# KiCad board untitled.kicad_pcb (continued)
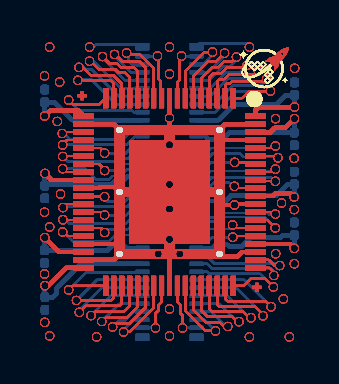
[diagram p0: board, top side]
## Routing (per net, layer and track width the routed paths; a pad name or vN(x,y) marks a point on that pad's centre or on a via; arc(x,y) is an arc through that point) (continued)
/PIN 66: length 259.7
  Top w0.1: 10.06,11.83 v1(10.15,11.92) ; 10.06,11.83 9.48,11.83 ; 10.06,11.83 9.48,11.83 ; 10.06,11.83 9.48,11.83 ; 10.06,11.83 v1(10.15,11.92) ; 10.06,11.83 v1(10.15,11.92) ; 10.06,11.83 v1(10.15,11.92) ; 10.06,11.83 v1(10.15,11.92) ; 10.06,11.83 9.48,11.83 ; 10.06,11.83 9.48,11.83 ; 10.06,11.83 v1(10.15,11.92) ; 10.06,11.83 v1(10.15,11.92) ; 10.06,11.83 v1(10.15,11.92) ; 10.06,11.83 v1(10.15,11.92) ; 10.06,11.83 v1(10.15,11.92) ; 10.06,11.83 v1(10.15,11.92) ; 10.06,11.83 9.48,11.83 ; 10.06,11.83 9.48,11.83 ; 10.06,11.83 9.48,11.83 ; 10.06,11.83 9.48,11.83 ; 10.06,11.83 v1(10.15,11.92) ; 10.06,11.83 9.48,11.83 ; 10.06,11.83 9.48,11.83 ; 10.06,11.83 v1(10.15,11.92) ; 10.06,11.83 9.48,11.83 ; 10.06,11.83 9.48,11.83 ; 10.06,11.83 9.48,11.83 ; 10.06,11.83 v1(10.15,11.92) ; 10.06,11.83 9.48,11.83 ; 10.06,11.83 v1(10.15,11.92) ; 10.06,11.83 9.48,11.83 ; 10.06,11.83 v1(10.15,11.92) ; 10.06,11.83 v1(10.15,11.92) ; 10.06,11.83 9.48,11.83 ; 10.06,11.83 9.48,11.83 ; 10.06,11.83 9.48,11.83 ; 10.06,11.83 v1(10.15,11.92) ; 10.06,11.83 v1(10.15,11.92) ; 10.06,11.83 9.48,11.83 ; 10.06,11.83 v1(10.15,11.92) ; 10.06,11.83 9.48,11.83 ; 10.06,11.83 9.48,11.83 ; 10.06,11.83 v1(10.15,11.92) ; 10.06,11.83 v1(10.15,11.92) ; 10.06,11.83 9.48,11.83 ; 10.06,11.83 v1(10.15,11.92) ; 10.06,11.83 9.48,11.83 ; 10.06,11.83 v1(10.15,11.92) ; 10.06,11.83 v1(10.15,11.92) ; 10.06,11.83 v1(10.15,11.92) ; 10.06,11.83 v1(10.15,11.92) ; 10.06,11.83 v1(10.15,11.92) ; 10.06,11.83 9.48,11.83 ; 10.06,11.83 v1(10.15,11.92) ; 10.06,11.83 9.48,11.83 ; 10.06,11.83 v1(10.15,11.92) ; 10.06,11.83 9.48,11.83 ; 10.06,11.83 v1(10.15,11.92) ; 10.06,11.83 9.48,11.83 ; 10.06,11.83 9.48,11.83 ; 10.06,11.83 v1(10.15,11.92) ; 10.06,11.83 9.48,11.83 ; 10.06,11.83 9.48,11.83 ; 10.06,11.83 v1(10.15,11.92) ; 10.06,11.83 v1(10.15,11.92) ; 10.06,11.83 v1(10.15,11.92) ; 10.06,11.83 9.48,11.83 ; 10.06,11.83 v1(10.15,11.92) ; 10.06,11.83 9.48,11.83 ; 10.06,11.83 9.48,11.83 ; 10.06,11.83 9.48,11.83 ; 10.06,11.83 v1(10.15,11.92) ; 10.06,11.83 9.48,11.83 ; 10.06,11.83 v1(10.15,11.92) ; 10.06,11.83 v1(10.15,11.92) ; 10.06,11.83 v1(10.15,11.92) ; 10.06,11.83 9.48,11.83 ; 10.06,11.83 9.48,11.83 ; 10.06,11.83 v1(10.15,11.92) ; 10.06,11.83 v1(10.15,11.92) ; 10.06,11.83 9.48,11.83 ; 10.06,11.83 9.48,11.83 ; 10.06,11.83 9.48,11.83 ; 10.06,11.83 9.48,11.83 ; 9.48,11.83 9.48,11.83 ; 9.48,11.83 9.48,11.83 ; 9.48,11.83 9.48,11.83 ; 9.48,11.83 9.48,11.83 ; 9.48,11.83 9.48,11.83 ; 9.48,11.83 9.48,11.83 ; 9.48,11.83 9.48,11.83 ; 9.48,11.83 9.48,11.83 ; 9.48,11.83 9.48,11.83 ; 9.48,11.83 9.48,11.83 ; 9.48,11.83 9.48,11.83 ; 9.48,11.83 9.48,11.83 ; 9.48,11.83 9.48,11.83 ; 9.48,11.83 9.48,11.83 ; 9.48,11.83 9.48,11.83 ; 9.48,11.83 9.48,11.83 ; 9.48,11.83 9.48,11.83 ; 9.48,11.83 9.48,11.83 ; 9.48,11.83 9.48,11.83 ; 9.48,11.83 9.48,11.83 ; 9.48,11.83 9.48,11.83 ; 9.48,11.83 9.48,11.83 ; 9.48,11.83 9.48,11.83 ; 9.48,11.83 9.48,11.83 ; 9.48,11.83 9.48,11.83 ; 9.48,11.83 9.48,11.83 ; 9.48,11.83 9.48,11.83 ; 9.48,11.83 9.48,11.83 ; 9.48,11.83 9.48,11.83 ; 9.48,11.83 9.48,11.83 ; 9.48,11.83 9.48,11.83 ; 9.48,11.83 9.48,11.83 ; 9.48,11.83 9.48,11.83 ; 9.48,11.83 9.48,11.83 ; 9.48,11.83 9.48,11.83 ; 9.48,11.83 9.48,11.83 ; 9.48,11.83 9.48,11.83 ; 9.48,11.83 9.48,11.83 ; 9.48,11.83 9.48,11.83 ; 9.48,11.83 9.48,11.83 ; 9.48,11.83 9.48,11.83 ; 9.48,11.83 9.48,11.83 ; 9.48,11.83 9.16,11.83 ; 9.48,11.83 9.16,11.83 ; 9.48,11.83 9.16,11.83 ; 9.48,11.83 9.16,11.83 ; 9.48,11.83 9.16,11.83 ; 9.48,11.83 9.16,11.83 ; 9.48,11.83 9.16,11.83 ; 9.48,11.83 9.16,11.83 ; 9.48,11.83 9.16,11.83 ; 9.48,11.83 9.16,11.83 ; 9.48,11.83 9.16,11.83 ; 9.48,11.83 9.16,11.83 ; 9.48,11.83 9.16,11.83 ; 9.48,11.83 9.16,11.83 ; 9.48,11.83 9.16,11.83 ; 9.48,11.83 9.16,11.83 ; 9.48,11.83 9.16,11.83 ; 9.48,11.83 9.16,11.83 ; 9.48,11.83 9.16,11.83 ; 9.48,11.83 9.16,11.83 ; 9.48,11.83 9.16,11.83 ; 9.48,11.83 9.16,11.83 ; 9.48,11.83 9.16,11.83 ; 9.48,11.83 9.16,11.83 ; 9.48,11.83 9.16,11.83 ; 9.48,11.83 9.16,11.83 ; 9.48,11.83 9.16,11.83 ; 9.48,11.83 9.16,11.83 ; 9.48,11.83 9.16,11.83 ; 9.48,11.83 9.16,11.83 ; 9.48,11.83 9.16,11.83 ; 9.48,11.83 9.16,11.83 ; 9.48,11.83 9.16,11.83 ; 9.48,11.83 9.16,11.83 ; 9.48,11.83 9.16,11.83 ; 9.48,11.83 9.16,11.83 ; 9.48,11.83 9.16,11.83 ; 9.48,11.83 9.16,11.83 ; 9.48,11.83 9.16,11.83 ; 9.48,11.83 9.16,11.83 ; 9.48,11.83 9.16,11.83 ; 9.48,11.83 9.16,11.83 ; 8.48,11.53 8.86,11.53 ; 8.48,11.53 8.26,11.31 ; 8.48,11.53 8.86,11.53 ; 8.48,11.53 8.26,11.31 ; 8.48,11.53 8.26,11.31 ; 8.48,11.53 8.26,11.31 ; 8.48,11.53 8.86,11.53 ; 8.48,11.53 8.86,11.53 ; 8.48,11.53 8.26,11.31 ; 8.48,11.53 8.86,11.53 ; 8.48,11.53 8.26,11.31 ; 8.48,11.53 8.26,11.31 ; 8.48,11.53 8.26,11.31 ; 8.48,11.53 8.26,11.31 ; 8.48,11.53 8.26,11.31 ; 8.48,11.53 8.26,11.31 ; 8.48,11.53 8.86,11.53 ; 8.48,11.53 8.86,11.53 ; 8.48,11.53 8.26,11.31 ; 8.48,11.53 8.86,11.53 ; 8.48,11.53 8.86,11.53 ; 8.48,11.53 8.86,11.53 ; 8.48,11.53 8.26,11.31 ; 8.48,11.53 8.86,11.53 ; 8.48,11.53 8.26,11.31 ; 8.48,11.53 8.86,11.53 ; 8.48,11.53 8.26,11.31 ; 8.48,11.53 8.86,11.53 ; 8.48,11.53 8.26,11.31 ; 8.48,11.53 8.26,11.31 ; 8.48,11.53 8.26,11.31 ; 8.48,11.53 8.26,11.31 ; 8.48,11.53 8.26,11.31 ; 8.48,11.53 8.86,11.53 ; 8.48,11.53 8.86,11.53 ; 8.48,11.53 8.86,11.53 ; 8.48,11.53 8.86,11.53 ; 8.48,11.53 8.86,11.53 ; 8.48,11.53 8.26,11.31 ; 8.48,11.53 8.86,11.53 ; 8.48,11.53 8.26,11.31 ; 8.48,11.53 8.26,11.31 ; 8.48,11.53 8.86,11.53 ; 8.48,11.53 8.86,11.53 ; 8.48,11.53 8.86,11.53 ; 8.48,11.53 8.26,11.31 ; 8.48,11.53 8.86,11.53 ; 8.48,11.53 8.26,11.31 ; 8.48,11.53 8.86,11.53 ; 8.48,11.53 8.86,11.53 ; 8.48,11.53 8.26,11.31 ; 8.48,11.53 8.26,11.31 ; 8.48,11.53 8.86,11.53 ; 8.48,11.53 8.86,11.53 ; 8.48,11.53 8.26,11.31 ; 8.48,11.53 8.26,11.31 ; 8.48,11.53 8.26,11.31 ; 8.48,11.53 8.26,11.31 ; 8.48,11.53 8.86,11.53 ; 8.48,11.53 8.86,11.53 ; 8.48,11.53 8.26,11.31 ; 8.48,11.53 8.26,11.31 ; 8.48,11.53 8.86,11.53 ; 8.48,11.53 8.26,11.31 ; 8.48,11.53 8.26,11.31 ; 8.48,11.53 8.86,11.53 ; 8.48,11.53 8.26,11.31 ; 8.48,11.53 8.86,11.53 ; 8.48,11.53 8.86,11.53 ; 8.48,11.53 8.26,11.31 ; 8.48,11.53 8.26,11.31 ; 8.48,11.53 8.86,11.53 ; 8.48,11.53 8.86,11.53 ; 8.48,11.53 8.86,11.53 ; 8.48,11.53 8.86,11.53 ; 8.48,11.53 8.26,11.31 ; 8.48,11.53 8.26,11.31 ; 8.48,11.53 8.26,11.31 ; 8.48,11.53 8.86,11.53 ; 8.48,11.53 8.26,11.31 ; 8.48,11.53 8.86,11.53 ; 8.48,11.53 8.86,11.53 ; 8.48,11.53 8.86,11.53 ; 8.48,11.53 8.86,11.53 ; 8.86,11.53 9.16,11.83 ; 8.86,11.53 9.16,11.83 ; 8.86,11.53 9.16,11.83 ; 8.86,11.53 9.16,11.83 ; 8.86,11.53 9.16,11.83 ; 8.86,11.53 9.16,11.83 ; 8.86,11.53 9.16,11.83 ; 8.86,11.53 9.16,11.83 ; 8.86,11.53 9.16,11.83 ; 8.86,11.53 9.16,11.83 ; 8.86,11.53 9.16,11.83 ; 8.86,11.53 9.16,11.83 ; 8.86,11.53 9.16,11.83 ; 8.86,11.53 9.16,11.83 ; 8.86,11.53 9.16,11.83 ; 8.86,11.53 9.16,11.83 ; 8.86,11.53 9.16,11.83 ; 8.86,11.53 9.16,11.83 ; 8.86,11.53 9.16,11.83 ; 8.86,11.53 9.16,11.83 ; 8.86,11.53 9.16,11.83 ; 8.86,11.53 9.16,11.83 ; 8.86,11.53 9.16,11.83 ; 8.86,11.53 9.16,11.83 ; 8.86,11.53 9.16,11.83 ; 8.86,11.53 9.16,11.83 ; 8.86,11.53 9.16,11.83 ; 8.86,11.53 9.16,11.83 ; 8.86,11.53 9.16,11.83 ; 8.86,11.53 9.16,11.83 ; 8.86,11.53 9.16,11.83 ; 8.86,11.53 9.16,11.83 ; 8.86,11.53 9.16,11.83 ; 8.86,11.53 9.16,11.83 ; 8.86,11.53 9.16,11.83 ; 8.86,11.53 9.16,11.83 ; 8.86,11.53 9.16,11.83 ; 8.86,11.53 9.16,11.83 ; 8.86,11.53 9.16,11.83 ; 8.86,11.53 9.16,11.83 ; 8.86,11.53 9.16,11.83 ; 8.86,11.53 9.16,11.83 ; 8.26,11.31 J158.4 ; 8.26,11.31 J158.4 ; 8.26,11.31 J158.4 ; 8.26,11.31 J158.4 ; 8.26,11.31 J158.4 ; 8.26,11.31 J158.4 ; 8.26,11.31 J158.4 ; 8.26,11.31 J158.4 ; 8.26,11.31 J158.4 ; 8.26,11.31 J158.4 ; 8.26,11.31 J158.4 ; 8.26,11.31 J158.4 ; 8.26,11.31 J158.4 ; 8.26,11.31 J158.4 ; 8.26,11.31 J158.4 ; 8.26,11.31 J158.4 ; 8.26,11.31 J158.4 ; 8.26,11.31 J158.4 ; 8.26,11.31 J158.4 ; 8.26,11.31 J158.4 ; 8.26,11.31 J158.4 ; 8.26,11.31 J158.4 ; 8.26,11.31 J158.4 ; 8.26,11.31 J158.4 ; 8.26,11.31 J158.4 ; 8.26,11.31 J158.4 ; 8.26,11.31 J158.4 ; 8.26,11.31 J158.4 ; 8.26,11.31 J158.4 ; 8.26,11.31 J158.4 ; 8.26,11.31 J158.4 ; 8.26,11.31 J158.4 ; 8.26,11.31 J158.4 ; 8.26,11.31 J158.4 ; 8.26,11.31 J158.4 ; 8.26,11.31 J158.4 ; 8.26,11.31 J158.4 ; 8.26,11.31 J158.4 ; 8.26,11.31 J158.4 ; 8.26,11.31 J158.4 ; 8.26,11.31 J158.4 ; 8.26,11.31 J158.4
  Bottom w0.1: v1(10.15,11.92) 9.81,11.58 ; v1(10.15,11.92) 9.81,11.58 ; v1(10.15,11.92) 9.81,11.58 ; v1(10.15,11.92) 9.81,11.58 ; v1(10.15,11.92) 9.81,11.58 ; v1(10.15,11.92) 9.81,11.58 ; v1(10.15,11.92) 9.81,11.58 ; v1(10.15,11.92) 9.81,11.58 ; v1(10.15,11.92) 9.81,11.58 ; v1(10.15,11.92) 9.81,11.58 ; v1(10.15,11.92) 9.81,11.58 ; v1(10.15,11.92) 9.81,11.58 ; v1(10.15,11.92) 9.81,11.58 ; v1(10.15,11.92) 9.81,11.58 ; v1(10.15,11.92) 9.81,11.58 ; v1(10.15,11.92) 9.81,11.58 ; v1(10.15,11.92) 9.81,11.58 ; v1(10.15,11.92) 9.81,11.58 ; v1(10.15,11.92) 9.81,11.58 ; v1(10.15,11.92) 9.81,11.58 ; v1(10.15,11.92) 9.81,11.58 ; v1(10.15,11.92) 9.81,11.58 ; v1(10.15,11.92) 9.81,11.58 ; v1(10.15,11.92) 9.81,11.58 ; v1(10.15,11.92) 9.81,11.58 ; v1(10.15,11.92) 9.81,11.58 ; v1(10.15,11.92) 9.81,11.58 ; v1(10.15,11.92) 9.81,11.58 ; v1(10.15,11.92) 9.81,11.58 ; v1(10.15,11.92) 9.81,11.58 ; v1(10.15,11.92) 9.81,11.58 ; v1(10.15,11.92) 9.81,11.58 ; v1(10.15,11.92) 9.81,11.58 ; v1(10.15,11.92) 9.81,11.58 ; v1(10.15,11.92) 9.81,11.58 ; v1(10.15,11.92) 9.81,11.58 ; v1(10.15,11.92) 9.81,11.58 ; v1(10.15,11.92) 9.81,11.58 ; v1(10.15,11.92) 9.81,11.58 ; v1(10.15,11.92) 9.81,11.58 ; v1(10.15,11.92) 9.81,11.58 ; v1(10.15,11.92) 9.81,11.58 ; 9.81,11.58 9.11,11.58 ; 9.81,11.58 9.11,11.58 ; 9.81,11.58 9.11,11.58 ; 9.81,11.58 9.11,11.58 ; 9.81,11.58 9.11,11.58 ; 9.81,11.58 9.11,11.58 ; 9.81,11.58 9.11,11.58 ; 9.81,11.58 9.11,11.58 ; 9.81,11.58 9.11,11.58 ; 9.81,11.58 9.11,11.58 ; 9.81,11.58 9.11,11.58 ; 9.81,11.58 9.11,11.58 ; 9.81,11.58 9.11,11.58 ; 9.81,11.58 9.11,11.58 ; 9.81,11.58 9.11,11.58 ; 9.81,11.58 9.11,11.58 ; 9.81,11.58 9.11,11.58 ; 9.81,11.58 9.11,11.58 ; 9.81,11.58 9.11,11.58 ; 9.81,11.58 9.11,11.58 ; 9.81,11.58 9.11,11.58 ; 9.81,11.58 9.11,11.58 ; 9.81,11.58 9.11,11.58 ; 9.81,11.58 9.11,11.58 ; 9.81,11.58 9.11,11.58 ; 9.81,11.58 9.11,11.58 ; 9.81,11.58 9.11,11.58 ; 9.81,11.58 9.11,11.58 ; 9.81,11.58 9.11,11.58 ; 9.81,11.58 9.11,11.58 ; 9.81,11.58 9.11,11.58 ; 9.81,11.58 9.11,11.58 ; 9.81,11.58 9.11,11.58 ; 9.81,11.58 9.11,11.58 ; 9.81,11.58 9.11,11.58 ; 9.81,11.58 9.11,11.58 ; 9.81,11.58 9.11,11.58 ; 9.81,11.58 9.11,11.58 ; 9.81,11.58 9.11,11.58 ; 9.81,11.58 9.11,11.58 ; 9.81,11.58 9.11,11.58 ; 9.81,11.58 9.11,11.58 ; 8.31,10.78 J173.5 ; 8.31,10.78 J173.5 ; 8.31,10.78 9.11,11.58 ; 8.31,10.78 9.11,11.58 ; 8.31,10.78 J173.5 ; 8.31,10.78 J173.5 ; 8.31,10.78 9.11,11.58 ; 8.31,10.78 9.11,11.58 ; 8.31,10.78 J173.5 ; 8.31,10.78 J173.5 ; 8.31,10.78 J173.5 ; 8.31,10.78 J173.5 ; 8.31,10.78 J173.5 ; 8.31,10.78 J173.5 ; 8.31,10.78 9.11,11.58 ; 8.31,10.78 J173.5 ; 8.31,10.78 J173.5 ; 8.31,10.78 J173.5 ; 8.31,10.78 J173.5 ; 8.31,10.78 9.11,11.58 ; 8.31,10.78 9.11,11.58 ; 8.31,10.78 J173.5 ; 8.31,10.78 9.11,11.58 ; 8.31,10.78 J173.5 ; 8.31,10.78 J173.5 ; 8.31,10.78 9.11,11.58 ; 8.31,10.78 J173.5 ; 8.31,10.78 J173.5 ; 8.31,10.78 9.11,11.58 ; 8.31,10.78 J173.5 ; 8.31,10.78 J173.5 ; 8.31,10.78 9.11,11.58 ; 8.31,10.78 9.11,11.58 ; 8.31,10.78 J173.5 ; 8.31,10.78 J173.5 ; 8.31,10.78 J173.5 ; 8.31,10.78 9.11,11.58 ; 8.31,10.78 9.11,11.58 ; 8.31,10.78 J173.5 ; 8.31,10.78 9.11,11.58 ; 8.31,10.78 J173.5 ; 8.31,10.78 9.11,11.58 ; 8.31,10.78 9.11,11.58 ; 8.31,10.78 J173.5 ; 8.31,10.78 J173.5 ; 8.31,10.78 J173.5 ; 8.31,10.78 J173.5 ; 8.31,10.78 9.11,11.58 ; 8.31,10.78 9.11,11.58 ; 8.31,10.78 J173.5 ; 8.31,10.78 9.11,11.58 ; 8.31,10.78 J173.5 ; 8.31,10.78 J173.5 ; 8.31,10.78 J173.5 ; 8.31,10.78 J173.5 ; 8.31,10.78 9.11,11.58 ; 8.31,10.78 9.11,11.58 ; 8.31,10.78 J173.5 ; 8.31,10.78 J173.5 ; 8.31,10.78 9.11,11.58 ; 8.31,10.78 9.11,11.58 ; 8.31,10.78 9.11,11.58 ; 8.31,10.78 9.11,11.58 ; 8.31,10.78 9.11,11.58 ; 8.31,10.78 9.11,11.58 ; 8.31,10.78 9.11,11.58 ; 8.31,10.78 9.11,11.58 ; 8.31,10.78 9.11,11.58 ; 8.31,10.78 9.11,11.58 ; 8.31,10.78 J173.5 ; 8.31,10.78 J173.5 ; 8.31,10.78 9.11,11.58 ; 8.31,10.78 J173.5 ; 8.31,10.78 9.11,11.58 ; 8.31,10.78 J173.5 ; 8.31,10.78 9.11,11.58 ; 8.31,10.78 J173.5 ; 8.31,10.78 9.11,11.58 ; 8.31,10.78 9.11,11.58 ; 8.31,10.78 9.11,11.58 ; 8.31,10.78 9.11,11.58 ; 8.31,10.78 9.11,11.58 ; 8.31,10.78 9.11,11.58 ; 8.31,10.78 9.11,11.58
/PIN 67: length 241.3
  Top w0.1: 8.97,12.09 8.71,11.83 ; 8.97,12.09 8.71,11.83 ; 8.97,12.09 9.37,12.09 ; 8.97,12.09 9.37,12.09 ; 8.97,12.09 9.37,12.09 ; 8.97,12.09 8.71,11.83 ; 8.97,12.09 9.37,12.09 ; 8.97,12.09 8.71,11.83 ; 8.97,12.09 9.37,12.09 ; 8.97,12.09 8.71,11.83 ; 8.97,12.09 8.71,11.83 ; 8.97,12.09 8.71,11.83 ; 8.97,12.09 9.37,12.09 ; 8.97,12.09 8.71,11.83 ; 8.97,12.09 9.37,12.09 ; 8.97,12.09 9.37,12.09 ; 8.97,12.09 8.71,11.83 ; 8.97,12.09 8.71,11.83 ; 8.97,12.09 9.37,12.09 ; 8.97,12.09 8.71,11.83 ; 8.97,12.09 8.71,11.83 ; 8.97,12.09 8.71,11.83 ; 8.97,12.09 8.71,11.83 ; 8.97,12.09 8.71,11.83 ; 8.97,12.09 8.71,11.83 ; 8.97,12.09 9.37,12.09 ; 8.97,12.09 9.37,12.09 ; 8.97,12.09 9.37,12.09 ; 8.97,12.09 8.71,11.83 ; 8.97,12.09 8.71,11.83 ; 8.97,12.09 8.71,11.83 ; 8.97,12.09 8.71,11.83 ; 8.97,12.09 9.37,12.09 ; 8.97,12.09 9.37,12.09 ; 8.97,12.09 9.37,12.09 ; 8.97,12.09 9.37,12.09 ; 8.97,12.09 8.71,11.83 ; 8.97,12.09 9.37,12.09 ; 8.97,12.09 8.71,11.83 ; 8.97,12.09 9.37,12.09 ; 8.97,12.09 8.71,11.83 ; 8.97,12.09 8.71,11.83 ; 8.97,12.09 9.37,12.09 ; 8.97,12.09 9.37,12.09 ; 8.97,12.09 8.71,11.83 ; 8.97,12.09 9.37,12.09 ; 8.97,12.09 9.37,12.09 ; 8.97,12.09 8.71,11.83 ; 8.97,12.09 8.71,11.83 ; 8.97,12.09 8.71,11.83 ; 8.97,12.09 8.71,11.83 ; 8.97,12.09 8.71,11.83 ; 8.97,12.09 9.37,12.09 ; 8.97,12.09 9.37,12.09 ; 8.97,12.09 8.71,11.83 ; 8.97,12.09 8.71,11.83 ; 8.97,12.09 9.37,12.09 ; 8.97,12.09 9.37,12.09 ; 8.97,12.09 9.37,12.09 ; 8.97,12.09 9.37,12.09 ; 8.97,12.09 8.71,11.83 ; 8.97,12.09 8.71,11.83 ; 8.97,12.09 9.37,12.09 ; 8.97,12.09 8.71,11.83 ; 8.97,12.09 9.37,12.09 ; 8.97,12.09 9.37,12.09 ; 8.97,12.09 8.71,11.83 ; 8.97,12.09 9.37,12.09 ; 8.97,12.09 8.71,11.83 ; 8.97,12.09 9.37,12.09 ; 8.97,12.09 9.37,12.09 ; 8.97,12.09 9.37,12.09 ; 8.97,12.09 9.37,12.09 ; 8.97,12.09 8.71,11.83 ; 8.97,12.09 9.37,12.09 ; 8.97,12.09 8.71,11.83 ; 8.97,12.09 9.37,12.09 ; 8.97,12.09 8.71,11.83 ; 8.97,12.09 9.37,12.09 ; 8.97,12.09 9.37,12.09 ; 8.97,12.09 9.37,12.09 ; 8.97,12.09 8.71,11.83 ; 8.97,12.09 9.37,12.09 ; 8.97,12.09 8.71,11.83 ; 8.71,11.83 8.41,11.83 ; 8.71,11.83 8.41,11.83 ; 8.71,11.83 8.41,11.83 ; 8.71,11.83 8.41,11.83 ; 8.71,11.83 8.41,11.83 ; 8.71,11.83 8.41,11.83 ; 8.71,11.83 8.41,11.83 ; 8.71,11.83 8.41,11.83 ; 8.71,11.83 8.41,11.83 ; 8.71,11.83 8.41,11.83 ; 8.71,11.83 8.41,11.83 ; 8.71,11.83 8.41,11.83 ; 8.71,11.83 8.41,11.83 ; 8.71,11.83 8.41,11.83 ; 8.71,11.83 8.41,11.83 ; 8.71,11.83 8.41,11.83 ; 8.71,11.83 8.41,11.83 ; 8.71,11.83 8.41,11.83 ; 8.71,11.83 8.41,11.83 ; 8.71,11.83 8.41,11.83 ; 8.71,11.83 8.41,11.83 ; 8.71,11.83 8.41,11.83 ; 8.71,11.83 8.41,11.83 ; 8.71,11.83 8.41,11.83 ; 8.71,11.83 8.41,11.83 ; 8.71,11.83 8.41,11.83 ; 8.71,11.83 8.41,11.83 ; 8.71,11.83 8.41,11.83 ; 8.71,11.83 8.41,11.83 ; 8.71,11.83 8.41,11.83 ; 8.71,11.83 8.41,11.83 ; 8.71,11.83 8.41,11.83 ; 8.71,11.83 8.41,11.83 ; 8.71,11.83 8.41,11.83 ; 8.71,11.83 8.41,11.83 ; 8.71,11.83 8.41,11.83 ; 8.71,11.83 8.41,11.83 ; 8.71,11.83 8.41,11.83 ; 8.71,11.83 8.41,11.83 ; 8.71,11.83 8.41,11.83 ; 8.71,11.83 8.41,11.83 ; 8.71,11.83 8.41,11.83 ; 8.41,11.83 7.86,11.28 ; 8.41,11.83 7.86,11.28 ; 8.41,11.83 7.86,11.28 ; 8.41,11.83 7.86,11.28 ; 8.41,11.83 7.86,11.28 ; 8.41,11.83 7.86,11.28 ; 8.41,11.83 7.86,11.28 ; 8.41,11.83 7.86,11.28 ; 8.41,11.83 7.86,11.28 ; 8.41,11.83 7.86,11.28 ; 8.41,11.83 7.86,11.28 ; 8.41,11.83 7.86,11.28 ; 8.41,11.83 7.86,11.28 ; 8.41,11.83 7.86,11.28 ; 8.41,11.83 7.86,11.28 ; 8.41,11.83 7.86,11.28 ; 8.41,11.83 7.86,11.28 ; 8.41,11.83 7.86,11.28 ; 8.41,11.83 7.86,11.28 ; 8.41,11.83 7.86,11.28 ; 8.41,11.83 7.86,11.28 ; 8.41,11.83 7.86,11.28 ; 8.41,11.83 7.86,11.28 ; 8.41,11.83 7.86,11.28 ; 8.41,11.83 7.86,11.28 ; 8.41,11.83 7.86,11.28 ; 8.41,11.83 7.86,11.28 ; 8.41,11.83 7.86,11.28 ; 8.41,11.83 7.86,11.28 ; 8.41,11.83 7.86,11.28 ; 8.41,11.83 7.86,11.28 ; 8.41,11.83 7.86,11.28 ; 8.41,11.83 7.86,11.28 ; 8.41,11.83 7.86,11.28 ; 8.41,11.83 7.86,11.28 ; 8.41,11.83 7.86,11.28 ; 8.41,11.83 7.86,11.28 ; 8.41,11.83 7.86,11.28 ; 8.41,11.83 7.86,11.28 ; 8.41,11.83 7.86,11.28 ; 8.41,11.83 7.86,11.28 ; 8.41,11.83 7.86,11.28 ; v1(9.61,12.33) 9.37,12.09 ; v1(9.61,12.33) 9.37,12.09 ; v1(9.61,12.33) 9.37,12.09 ; v1(9.61,12.33) 9.37,12.09 ; v1(9.61,12.33) 9.37,12.09 ; v1(9.61,12.33) 9.37,12.09 ; v1(9.61,12.33) 9.37,12.09 ; v1(9.61,12.33) 9.37,12.09 ; v1(9.61,12.33) 9.37,12.09 ; v1(9.61,12.33) 9.37,12.09 ; v1(9.61,12.33) 9.37,12.09 ; v1(9.61,12.33) 9.37,12.09 ; v1(9.61,12.33) 9.37,12.09 ; v1(9.61,12.33) 9.37,12.09 ; v1(9.61,12.33) 9.37,12.09 ; v1(9.61,12.33) 9.37,12.09 ; v1(9.61,12.33) 9.37,12.09 ; v1(9.61,12.33) 9.37,12.09 ; v1(9.61,12.33) 9.37,12.09 ; v1(9.61,12.33) 9.37,12.09 ; v1(9.61,12.33) 9.37,12.09 ; v1(9.61,12.33) 9.37,12.09 ; v1(9.61,12.33) 9.37,12.09 ; v1(9.61,12.33) 9.37,12.09 ; v1(9.61,12.33) 9.37,12.09 ; v1(9.61,12.33) 9.37,12.09 ; v1(9.61,12.33) 9.37,12.09 ; v1(9.61,12.33) 9.37,12.09 ; v1(9.61,12.33) 9.37,12.09 ; v1(9.61,12.33) 9.37,12.09 ; v1(9.61,12.33) 9.37,12.09 ; v1(9.61,12.33) 9.37,12.09 ; v1(9.61,12.33) 9.37,12.09 ; v1(9.61,12.33) 9.37,12.09 ; v1(9.61,12.33) 9.37,12.09 ; v1(9.61,12.33) 9.37,12.09 ; v1(9.61,12.33) 9.37,12.09 ; v1(9.61,12.33) 9.37,12.09 ; v1(9.61,12.33) 9.37,12.09 ; v1(9.61,12.33) 9.37,12.09 ; v1(9.61,12.33) 9.37,12.09 ; v1(9.61,12.33) 9.37,12.09 ; 7.86,11.28 J158.5 ; 7.86,11.28 J158.5 ; 7.86,11.28 J158.5 ; 7.86,11.28 J158.5 ; 7.86,11.28 J158.5 ; 7.86,11.28 J158.5 ; 7.86,11.28 J158.5 ; 7.86,11.28 J158.5 ; 7.86,11.28 J158.5 ; 7.86,11.28 J158.5 ; 7.86,11.28 J158.5 ; 7.86,11.28 J158.5 ; 7.86,11.28 J158.5 ; 7.86,11.28 J158.5 ; 7.86,11.28 J158.5 ; 7.86,11.28 J158.5 ; 7.86,11.28 J158.5 ; 7.86,11.28 J158.5 ; 7.86,11.28 J158.5 ; 7.86,11.28 J158.5 ; 7.86,11.28 J158.5 ; 7.86,11.28 J158.5 ; 7.86,11.28 J158.5 ; 7.86,11.28 J158.5 ; 7.86,11.28 J158.5 ; 7.86,11.28 J158.5 ; 7.86,11.28 J158.5 ; 7.86,11.28 J158.5 ; 7.86,11.28 J158.5 ; 7.86,11.28 J158.5 ; 7.86,11.28 J158.5 ; 7.86,11.28 J158.5 ; 7.86,11.28 J158.5 ; 7.86,11.28 J158.5 ; 7.86,11.28 J158.5 ; 7.86,11.28 J158.5 ; 7.86,11.28 J158.5 ; 7.86,11.28 J158.5 ; 7.86,11.28 J158.5 ; 7.86,11.28 J158.5 ; 7.86,11.28 J158.5 ; 7.86,11.28 J158.5
  Bottom w0.1: 9.56,12.13 9.31,11.88 ; 9.56,12.13 9.56,12.28 ; 9.56,12.13 9.31,11.88 ; 9.56,12.13 9.31,11.88 ; 9.56,12.13 9.56,12.28 ; 9.56,12.13 9.56,12.28 ; 9.56,12.13 9.31,11.88 ; 9.56,12.13 9.31,11.88 ; 9.56,12.13 9.56,12.28 ; 9.56,12.13 9.31,11.88 ; 9.56,12.13 9.56,12.28 ; 9.56,12.13 9.31,11.88 ; 9.56,12.13 9.31,11.88 ; 9.56,12.13 9.56,12.28 ; 9.56,12.13 9.56,12.28 ; 9.56,12.13 9.31,11.88 ; 9.56,12.13 9.31,11.88 ; 9.56,12.13 9.56,12.28 ; 9.56,12.13 9.31,11.88 ; 9.56,12.13 9.56,12.28 ; 9.56,12.13 9.56,12.28 ; 9.56,12.13 9.31,11.88 ; 9.56,12.13 9.56,12.28 ; 9.56,12.13 9.56,12.28 ; 9.56,12.13 9.56,12.28 ; 9.56,12.13 9.56,12.28 ; 9.56,12.13 9.31,11.88 ; 9.56,12.13 9.31,11.88 ; 9.56,12.13 9.31,11.88 ; 9.56,12.13 9.56,12.28 ; 9.56,12.13 9.56,12.28 ; 9.56,12.13 9.56,12.28 ; 9.56,12.13 9.56,12.28 ; 9.56,12.13 9.56,12.28 ; 9.56,12.13 9.56,12.28 ; 9.56,12.13 9.56,12.28 ; 9.56,12.13 9.31,11.88 ; 9.56,12.13 9.56,12.28 ; 9.56,12.13 9.56,12.28 ; 9.56,12.13 9.56,12.28 ; 9.56,12.13 9.31,11.88 ; 9.56,12.13 9.56,12.28 ; 9.56,12.13 9.31,11.88 ; 9.56,12.13 9.56,12.28 ; 9.56,12.13 9.31,11.88 ; 9.56,12.13 9.56,12.28 ; 9.56,12.13 9.31,11.88 ; 9.56,12.13 9.31,11.88 ; 9.56,12.13 9.31,11.88 ; 9.56,12.13 9.56,12.28 ; 9.56,12.13 9.31,11.88 ; 9.56,12.13 9.31,11.88 ; 9.56,12.13 9.56,12.28 ; 9.56,12.13 9.31,11.88 ; 9.56,12.13 9.31,11.88 ; 9.56,12.13 9.56,12.28 ; 9.56,12.13 9.56,12.28 ; 9.56,12.13 9.31,11.88 ; 9.56,12.13 9.31,11.88 ; 9.56,12.13 9.31,11.88 ; 9.56,12.13 9.31,11.88 ; 9.56,12.13 9.31,11.88 ; 9.56,12.13 9.56,12.28 ; 9.56,12.13 9.56,12.28 ; 9.56,12.13 9.31,11.88 ; 9.56,12.13 9.56,12.28 ; 9.56,12.13 9.56,12.28 ; 9.56,12.13 9.31,11.88 ; 9.56,12.13 9.31,11.88 ; 9.56,12.13 9.31,11.88 ; 9.56,12.13 9.56,12.28 ; 9.56,12.13 9.31,11.88 ; 9.56,12.13 9.31,11.88 ; 9.56,12.13 9.31,11.88 ; 9.56,12.13 9.56,12.28 ; 9.56,12.13 9.56,12.28 ; 9.56,12.13 9.56,12.28 ; 9.56,12.13 9.56,12.28 ; 9.56,12.13 9.31,11.88 ; 9.56,12.13 9.31,11.88 ; 9.56,12.13 9.56,12.28 ; 9.56,12.13 9.31,11.88 ; 9.56,12.13 9.31,11.88 ; 9.56,12.13 9.56,12.28 ; 9.31,11.88 8.96,11.88 ; 9.31,11.88 8.96,11.88 ; 9.31,11.88 8.96,11.88 ; 9.31,11.88 8.96,11.88 ; 9.31,11.88 8.96,11.88 ; 9.31,11.88 8.96,11.88 ; 9.31,11.88 8.96,11.88 ; 9.31,11.88 8.96,11.88 ; 9.31,11.88 8.96,11.88 ; 9.31,11.88 8.96,11.88 ; 9.31,11.88 8.96,11.88 ; 9.31,11.88 8.96,11.88 ; 9.31,11.88 8.96,11.88 ; 9.31,11.88 8.96,11.88 ; 9.31,11.88 8.96,11.88 ; 9.31,11.88 8.96,11.88 ; 9.31,11.88 8.96,11.88 ; 9.31,11.88 8.96,11.88 ; 9.31,11.88 8.96,11.88 ; 9.31,11.88 8.96,11.88 ; 9.31,11.88 8.96,11.88 ; 9.31,11.88 8.96,11.88 ; 9.31,11.88 8.96,11.88 ; 9.31,11.88 8.96,11.88 ; 9.31,11.88 8.96,11.88 ; 9.31,11.88 8.96,11.88 ; 9.31,11.88 8.96,11.88 ; 9.31,11.88 8.96,11.88 ; 9.31,11.88 8.96,11.88 ; 9.31,11.88 8.96,11.88 ; 9.31,11.88 8.96,11.88 ; 9.31,11.88 8.96,11.88 ; 9.31,11.88 8.96,11.88 ; 9.31,11.88 8.96,11.88 ; 9.31,11.88 8.96,11.88 ; 9.31,11.88 8.96,11.88 ; 9.31,11.88 8.96,11.88 ; 9.31,11.88 8.96,11.88 ; 9.31,11.88 8.96,11.88 ; 9.31,11.88 8.96,11.88 ; 9.31,11.88 8.96,11.88 ; 9.31,11.88 8.96,11.88 ; v1(9.61,12.33) 9.56,12.28 ; v1(9.61,12.33) 9.56,12.28 ; v1(9.61,12.33) 9.56,12.28 ; v1(9.61,12.33) 9.56,12.28 ; v1(9.61,12.33) 9.56,12.28 ; v1(9.61,12.33) 9.56,12.28 ; v1(9.61,12.33) 9.56,12.28 ; v1(9.61,12.33) 9.56,12.28 ; v1(9.61,12.33) 9.56,12.28 ; v1(9.61,12.33) 9.56,12.28 ; v1(9.61,12.33) 9.56,12.28 ; v1(9.61,12.33) 9.56,12.28 ; v1(9.61,12.33) 9.56,12.28 ; v1(9.61,12.33) 9.56,12.28 ; v1(9.61,12.33) 9.56,12.28 ; v1(9.61,12.33) 9.56,12.28 ; v1(9.61,12.33) 9.56,12.28 ; v1(9.61,12.33) 9.56,12.28 ; v1(9.61,12.33) 9.56,12.28 ; v1(9.61,12.33) 9.56,12.28 ; v1(9.61,12.33) 9.56,12.28 ; v1(9.61,12.33) 9.56,12.28 ; v1(9.61,12.33) 9.56,12.28 ; v1(9.61,12.33) 9.56,12.28 ; v1(9.61,12.33) 9.56,12.28 ; v1(9.61,12.33) 9.56,12.28 ; v1(9.61,12.33) 9.56,12.28 ; v1(9.61,12.33) 9.56,12.28 ; v1(9.61,12.33) 9.56,12.28 ; v1(9.61,12.33) 9.56,12.28 ; v1(9.61,12.33) 9.56,12.28 ; v1(9.61,12.33) 9.56,12.28 ; v1(9.61,12.33) 9.56,12.28 ; v1(9.61,12.33) 9.56,12.28 ; v1(9.61,12.33) 9.56,12.28 ; v1(9.61,12.33) 9.56,12.28 ; v1(9.61,12.33) 9.56,12.28 ; v1(9.61,12.33) 9.56,12.28 ; v1(9.61,12.33) 9.56,12.28 ; v1(9.61,12.33) 9.56,12.28 ; v1(9.61,12.33) 9.56,12.28 ; v1(9.61,12.33) 9.56,12.28 ; 8.96,11.88 8.26,11.18 ; 8.96,11.88 8.26,11.18 ; 8.96,11.88 8.26,11.18 ; 8.96,11.88 8.26,11.18 ; 8.96,11.88 8.26,11.18 ; 8.96,11.88 8.26,11.18 ; 8.96,11.88 8.26,11.18 ; 8.96,11.88 8.26,11.18 ; 8.96,11.88 8.26,11.18 ; 8.96,11.88 8.26,11.18 ; 8.96,11.88 8.26,11.18 ; 8.96,11.88 8.26,11.18 ; 8.96,11.88 8.26,11.18 ; 8.96,11.88 8.26,11.18 ; 8.96,11.88 8.26,11.18 ; 8.96,11.88 8.26,11.18 ; 8.96,11.88 8.26,11.18 ; 8.96,11.88 8.26,11.18 ; 8.96,11.88 8.26,11.18 ; 8.96,11.88 8.26,11.18 ; 8.96,11.88 8.26,11.18 ; 8.96,11.88 8.26,11.18 ; 8.96,11.88 8.26,11.18 ; 8.96,11.88 8.26,11.18 ; 8.96,11.88 8.26,11.18 ; 8.96,11.88 8.26,11.18 ; 8.96,11.88 8.26,11.18 ; 8.96,11.88 8.26,11.18 ; 8.96,11.88 8.26,11.18 ; 8.96,11.88 8.26,11.18 ; 8.96,11.88 8.26,11.18 ; 8.96,11.88 8.26,11.18 ; 8.96,11.88 8.26,11.18 ; 8.96,11.88 8.26,11.18 ; 8.96,11.88 8.26,11.18 ; 8.96,11.88 8.26,11.18 ; 8.96,11.88 8.26,11.18 ; 8.96,11.88 8.26,11.18 ; 8.96,11.88 8.26,11.18 ; 8.96,11.88 8.26,11.18 ; 8.96,11.88 8.26,11.18 ; 8.96,11.88 8.26,11.18 ; 8.26,11.18 J173.4 ; 8.26,11.18 J173.4 ; 8.26,11.18 J173.4 ; 8.26,11.18 J173.4 ; 8.26,11.18 J173.4 ; 8.26,11.18 J173.4 ; 8.26,11.18 J173.4 ; 8.26,11.18 J173.4 ; 8.26,11.18 J173.4 ; 8.26,11.18 J173.4 ; 8.26,11.18 J173.4 ; 8.26,11.18 J173.4 ; 8.26,11.18 J173.4 ; 8.26,11.18 J173.4 ; 8.26,11.18 J173.4 ; 8.26,11.18 J173.4 ; 8.26,11.18 J173.4 ; 8.26,11.18 J173.4 ; 8.26,11.18 J173.4 ; 8.26,11.18 J173.4 ; 8.26,11.18 J173.4 ; 8.26,11.18 J173.4 ; 8.26,11.18 J173.4 ; 8.26,11.18 J173.4 ; 8.26,11.18 J173.4 ; 8.26,11.18 J173.4 ; 8.26,11.18 J173.4 ; 8.26,11.18 J173.4 ; 8.26,11.18 J173.4 ; 8.26,11.18 J173.4 ; 8.26,11.18 J173.4 ; 8.26,11.18 J173.4 ; 8.26,11.18 J173.4 ; 8.26,11.18 J173.4 ; 8.26,11.18 J173.4 ; 8.26,11.18 J173.4 ; 8.26,11.18 J173.4 ; 8.26,11.18 J173.4 ; 8.26,11.18 J173.4 ; 8.26,11.18 J173.4 ; 8.26,11.18 J173.4 ; 8.26,11.18 J173.4